# Altium PCB 11BRANMB10H2_20170927.pcbdoc (part 5 of 11) (continued)
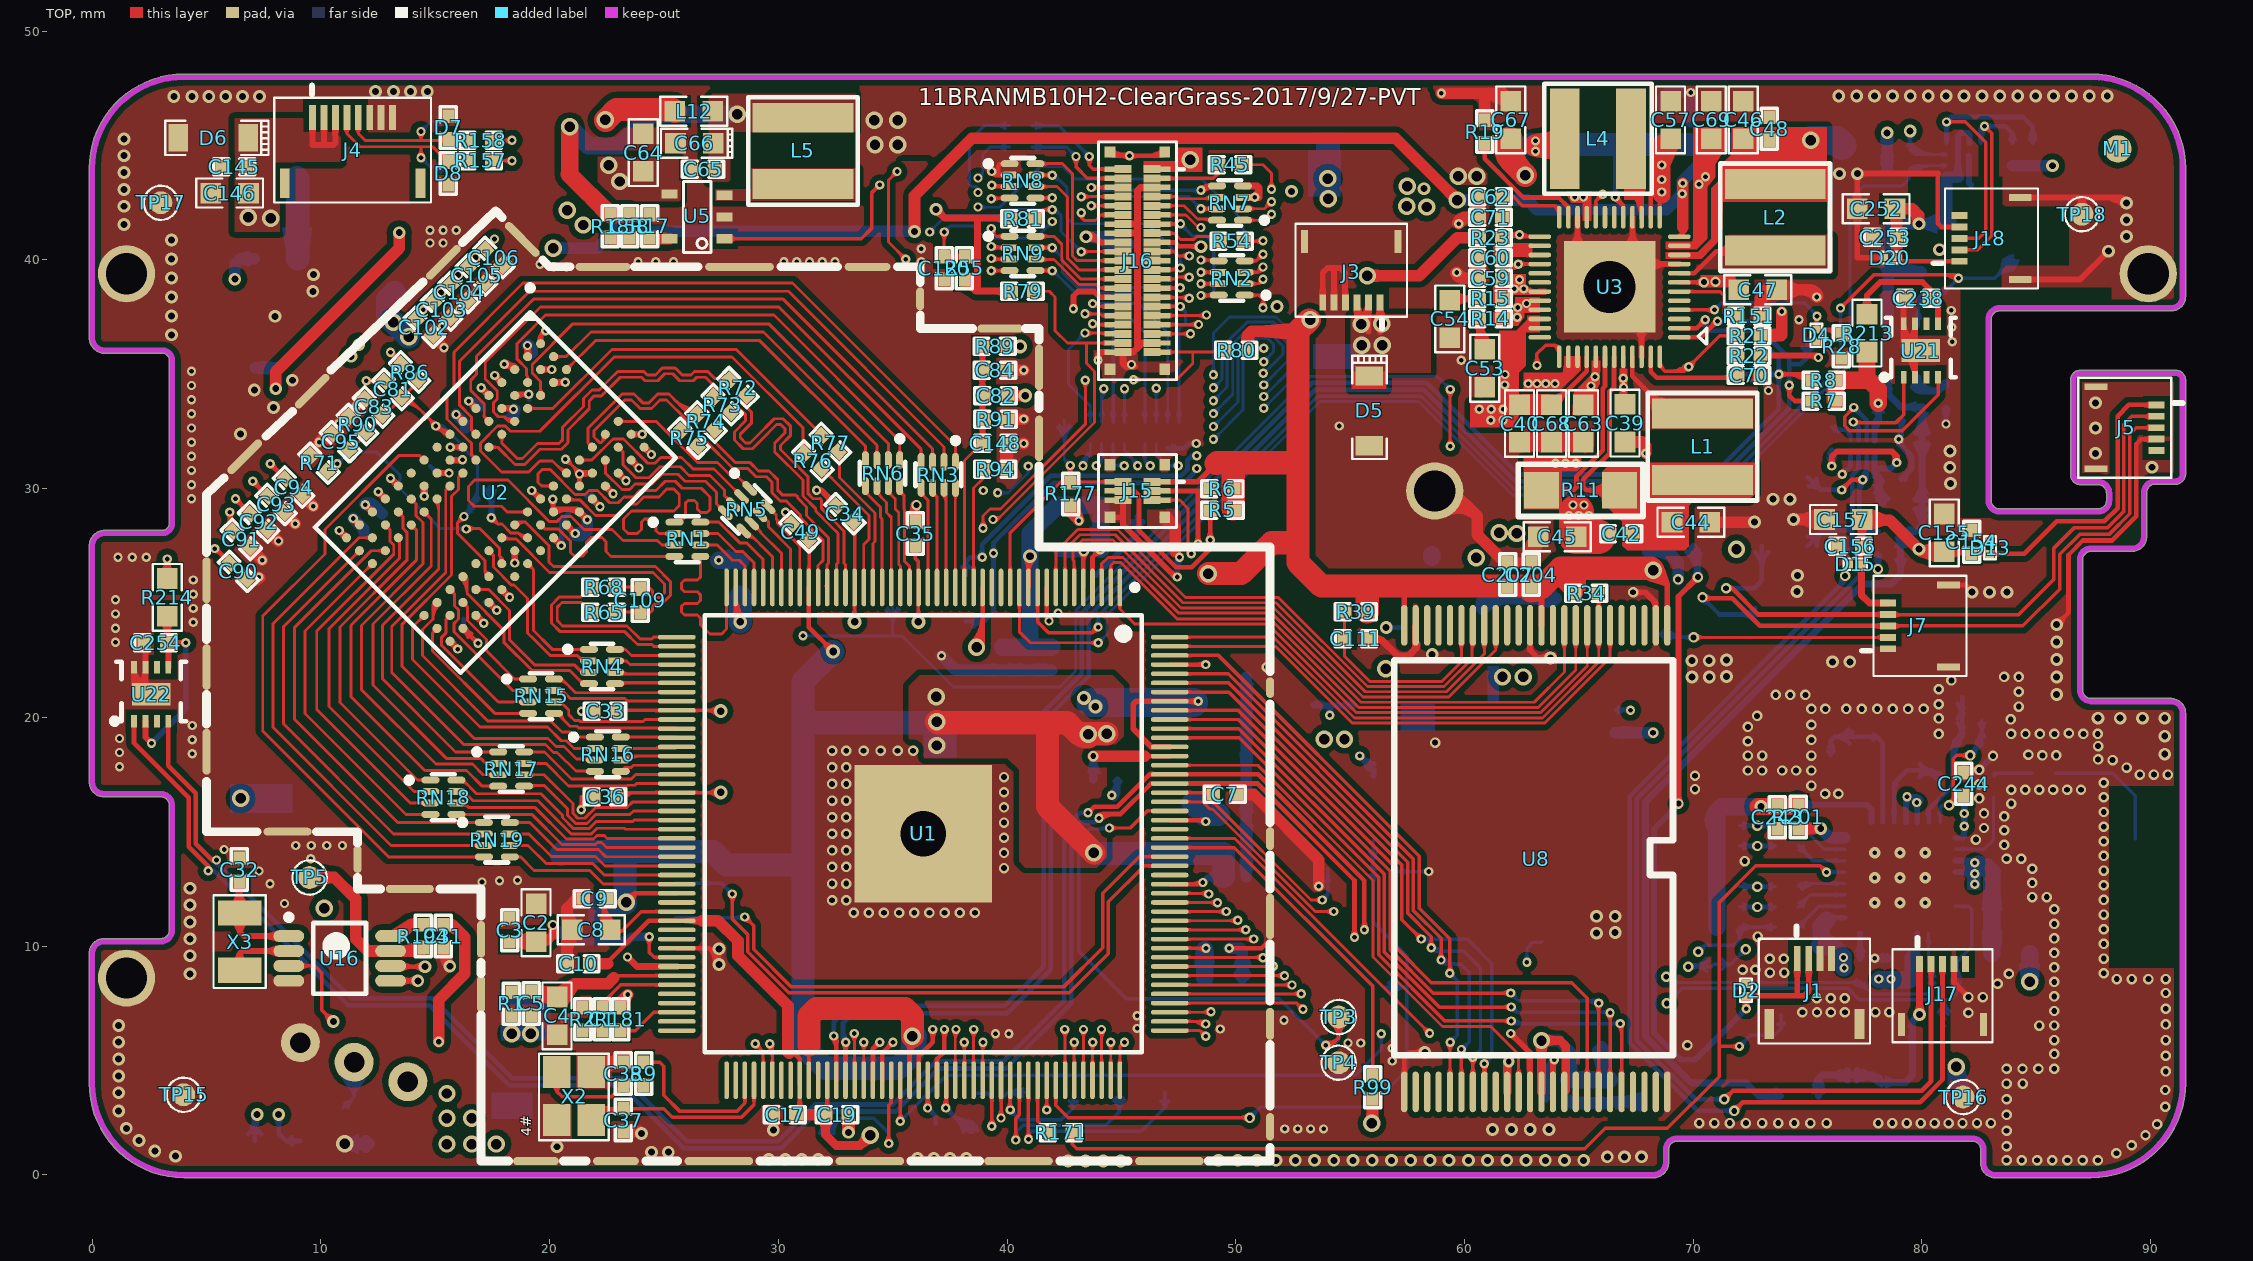
[diagram p0: TOP view]
## Nets (pads, with @x,y where several pads share a name; then routed paths per layer and width w, separated by ;. In a path a pad name is that pad's centre, name@x,y a point inside that pad or via, vN(x,y) a via of type N, cw(c..) or ccw(c..) an arc to the next point about the centre after c; other vN are vias at no path point) (continued)
  TOP w0.762: v1@68.629,42.842 v1(68.629,42.969) v1(68.629,43.518) v1(68.629,44.153) C57.1@68.629,45.106 ; v1@68.629,44.21 cw(c70.096,44.21) 69.059,45.248 ccw(c70.096,44.21) v1@68.629,44.21
  TOP w0.889: C40.2@62.406,33.676 C68.1@63.803,33.676
  TOP w1.016: C67.1@62.025,45.297 62.025,44.344 ; v4(62.66,43.709) 62.025,44.344 ; 62.025,44.344 cw(c62.544,44.863) 61.98,45.334 ccw(c62.544,44.863) 62.025,44.344 ; C67.1@61.967,45.297 ccw(c64.127,45.297) 62.6,43.769 cw(c64.127,45.297) C67.1@61.967,45.297
  POWER w1.016: v1@64.895,42.756 64.857,42.794 63.995,43.656 62.66,43.656 v4(60.541,43.656) v4@59.764,43.656 ; v4@59.753,43.645 cw(c60.259,43.139) 60.602,43.768 ccw(c60.259,43.139) v4@59.753,43.645 ; v4@59.753,43.645 v4@59.764,43.656 ; v4@59.764,43.656 cw(c60.256,43.165) 60.604,43.766 ccw(c60.256,43.165) v4@59.764,43.656
  POWER w2.032: 11.29,36.239 11.29,36.296 11.29,42.157 12.154,43.021 18.898,43.021 20.016,44.139 v4(22.593,44.139) 23.065,44.139 31.991,44.139 33.42,45.568 34.201,45.568 34.226,45.568 35.217,45.568 35.344,45.568 ; 60.896,34.014 60.896,33.477 60.896,32.994 60.896,31.14 62.064,29.972 62.064,28.067 62.064,28.041 62.064,21.768 62.064,21.742
  BOTTOM w0.762: L19.2@58.572,27 L19.2@58.572,27.114
  other v1: 61.154,32.994 61.688,32.994 60.646,33.477 61.167,33.477 61.688,33.477 66.957,34.424 61.76,34.537 64.819,42.756 65.2,42.756
  other v3: 11.319,35.788 11.65,36.296
  other v4: 61.662,21.768 62.577,21.768 62.281,28.041 61.519,28.067 23.065,43.431 59.728,43.656 34.226,45.034 35.217,45.034 34.201,46.101 35.217,46.101
JTAG_CLK: TP89.1 U1.113 | length 9.8
  TOP w0.203: v1@37.335,2.943 U1.113@37.335,4.133 ; v1@37.241,2.993 ccw(c37.013,3.22) 37.335,3.22 cw(c37.013,3.22) v1@37.241,2.993
  BOTTOM w0.203: v1(37.313,2.921) 38.356,1.877 TP89.1@38.5,1.877 ; 37.927,2.429 cw(c37.71,1.618) TP89.1@38.508,1.88 ; 38.29,2.332 cw(c38.136,1.758) TP89.1@38.701,1.943 ; 37.486,2.747 ccw(c37.313,2.574) 37.313,2.819 cw(c37.313,2.574) 37.486,2.747 ; 37.486,2.747 cw(c37.659,2.921) 37.414,2.921 ccw(c37.659,2.921) 37.486,2.747 ; 37.574,2.659 ccw(c38.5,3.585) 38.5,2.276 cw(c38.5,3.585) 37.574,2.659 ; 37.921,2.312 ccw(c38.5,2.891) 38.5,2.072 cw(c38.5,2.891) 37.921,2.312 ; 37.922,2.312 cw(c37.487,1.877) 38.102,1.877 ccw(c37.487,1.877) 37.922,2.312
JTAG_DO: TP85.1 U1.111 | length 3.6
  TOP w0.203: v1@36.535,2.931 U1.111@36.535,4.133 ; v1@36.453,2.993 ccw(c36.256,3.19) 36.535,3.19 cw(c36.256,3.19) v1@36.453,2.993 ; 36.535,3.142 ccw(c36.747,3.142) 36.597,2.993 cw(c36.747,3.142) 36.535,3.142
  BOTTOM w0.203: v1(36.525,2.921) 36.881,2.565 36.881,2.258 ; 36.699,2.747 ccw(c36.525,2.574) 36.525,2.819 cw(c36.525,2.574) 36.699,2.747 ; 36.699,2.747 cw(c36.872,2.921) 36.627,2.921 ccw(c36.872,2.921) 36.699,2.747
LCD-CLK: R54.2 U1.129 | length 66.7
  TOP w0.127: U1.129@43.735,4.133 v1@43.735,5.788 ; R54.2@50.322,40.811 51.194,40.811 v1@51.219,40.811 ; 50.822,40.811 ccw(c50.822,40.361) 50.504,40.679 cw(c50.822,40.361) 50.822,40.811 ; 50.822,40.811 cw(c50.822,41.261) 50.504,40.943 ccw(c50.822,41.261) 50.822,40.811 ; v1@43.648,5.7 cw(c43.436,5.489) 43.735,5.489 ccw(c43.436,5.489) v1@43.648,5.7 ; 43.735,5.435 cw(c44.111,5.435) 43.845,5.7 ccw(c44.111,5.435) 43.735,5.435 ; 50.795,40.811 ccw(c50.795,41.235) 51.095,40.935 cw(c50.795,41.235) 50.795,40.811 ; 50.918,40.811 cw(c50.918,40.561) 51.095,40.738 ccw(c50.918,40.561) 50.918,40.811
  Singal w0.127: v1(38.726,42.316) 38.497,42.088 ; v1(43.746,5.799) 43.746,6.951 45.448,8.653 45.448,28.218 43.241,30.425 40.897,30.425 38.497,32.825 38.497,42.088 ; 38.497,42.088 ccw(c38.282,42.303) 38.586,42.312 cw(c38.282,42.303) 38.497,42.088 ; 38.497,42.088 cw(c38.713,41.873) 38.722,42.177 ccw(c38.713,41.873) 38.497,42.088 ; 43.746,6.136 ccw(c44.084,6.136) 43.845,5.898 cw(c44.084,6.136) 43.746,6.136 ; 43.746,6.136 cw(c43.409,6.136) 43.648,5.898 ccw(c43.409,6.136) 43.746,6.136
  BOTTOM w0.127: v1(38.726,42.316) 38.739,42.304 39.679,42.304 41.453,44.078 42.447,44.078 42.986,43.538 48.505,43.538 50.225,41.818 50.225,41.43 50.819,40.837 v1(51.194,40.837) v1@51.244,40.837 ; 50.856,40.837 ccw(c50.856,41.174) 51.095,40.935 cw(c50.856,41.174) 50.856,40.837 ; 50.856,40.837 cw(c50.856,40.499) 51.095,40.738 ccw(c50.856,40.499) 50.856,40.837 ; v1@38.825,42.217 cw(c39.033,42.009) 39.033,42.304 ccw(c39.033,42.009) v1@38.825,42.217 ; v1@38.825,42.415 ccw(c39.093,42.684) 39.093,42.304 cw(c39.093,42.684) v1@38.825,42.415
LCD-D2: RN7.2 U1.148 | length 40.3
  TOP w0.127: U1.148@47.11,12.308 v1@48.785,12.308 ; RN7.2@50.31,42.238 51.255,42.238 v1(51.562,42.545) ; 51.366,42.353 ccw(c51.3,42.598) v1@51.55,42.547 ; 51.37,42.349 cw(c51.616,42.283) v1@51.565,42.532 ; 50.766,42.238 ccw(c50.766,42.023) 50.615,42.175 cw(c50.766,42.023) 50.766,42.238 ; 50.766,42.238 cw(c50.766,42.452) 50.615,42.301 ccw(c50.766,42.452) 50.766,42.238 ; 51.324,42.306 ccw(c51.085,42.545) 51.422,42.545 cw(c51.085,42.545) 51.324,42.306 ; 51.324,42.306 cw(c51.562,42.068) 51.562,42.405 ccw(c51.562,42.068) 51.324,42.306 ; 48.403,12.308 cw(c48.403,11.862) 48.718,12.177 ccw(c48.403,11.862) 48.403,12.308 ; 48.557,12.308 ccw(c48.557,12.536) 48.718,12.375 cw(c48.557,12.536) 48.557,12.308
  Singal w0.127: v1(48.817,12.276) 49.606,13.065 49.606,41.249 50.394,42.037 51.054,42.037 v1(51.562,42.545) ; 49.055,12.514 ccw(c49.294,12.276) 48.957,12.276 cw(c49.294,12.276) 49.055,12.514 ; 49.055,12.514 cw(c48.817,12.753) 48.817,12.416 ccw(c48.817,12.753) 49.055,12.514 ; 51.324,42.306 ccw(c51.085,42.545) 51.422,42.545 cw(c51.085,42.545) 51.324,42.306 ; 51.324,42.306 cw(c51.562,42.068) 51.562,42.405 ccw(c51.562,42.068) 51.324,42.306
LCD-D3: RN7.1 U1.147 | length 40.5
  TOP w0.127: U1.147@47.11,11.908 48.664,11.908 ; 48.664,11.908 v1@49.185,11.908 ; RN7.1@50.31,41.738 51.301,41.738 v1(51.562,41.999) ; 51.366,41.807 ccw(c51.3,42.052) v1@51.55,42.001 ; 51.37,41.803 cw(c51.616,41.737) v1@51.565,41.986 ; 50.766,41.738 ccw(c50.766,41.523) 50.615,41.675 cw(c50.766,41.523) 50.766,41.738 ; 50.766,41.738 cw(c50.766,41.952) 50.615,41.8 ccw(c50.766,41.952) 50.766,41.738 ; 51.324,41.76 ccw(c51.085,41.999) 51.422,41.999 cw(c51.085,41.999) 51.324,41.76 ; 51.324,41.76 cw(c51.562,41.522) 51.562,41.859 ccw(c51.562,41.522) 51.324,41.76 ; 48.83,11.908 cw(c48.83,11.527) 49.099,11.796 ccw(c48.83,11.527) 48.83,11.908 ; 48.891,11.908 ccw(c48.891,12.202) 49.099,11.994 cw(c48.891,12.202) 48.891,11.908
  Singal w0.127: v1(49.198,11.895) 49.873,12.57 49.873,41.192 50.381,41.7 51.264,41.7 v1(51.562,41.999) ; 49.436,12.133 ccw(c49.675,11.895) 49.338,11.895 cw(c49.675,11.895) 49.436,12.133 ; 49.436,12.133 cw(c49.198,12.372) 49.198,12.035 ccw(c49.198,12.372) 49.436,12.133 ; 51.324,41.76 ccw(c51.085,41.999) 51.422,41.999 cw(c51.085,41.999) 51.324,41.76 ; 51.324,41.76 cw(c51.562,41.522) 51.562,41.859 ccw(c51.562,41.522) 51.324,41.76
LCD-D4: RN2.4 U1.146 | length 38.6
  TOP w0.127: U1.146@47.11,11.508 v1@49.573,11.508 ; RN2.4@50.387,39.961 50.902,39.961 v1(51.194,40.252) ; 50.998,40.06 ccw(c50.932,40.306) v1@51.181,40.255 ; 51.001,40.057 cw(c51.247,39.991) v1@51.196,40.24 ; 50.843,39.961 ccw(c50.843,39.746) 50.691,39.898 cw(c50.843,39.746) 50.843,39.961 ; 50.843,39.961 cw(c50.843,40.176) 50.691,40.024 ccw(c50.843,40.176) 50.843,39.961 ; 50.955,40.014 ccw(c50.717,40.252) 51.054,40.252 cw(c50.717,40.252) 50.955,40.014 ; 50.955,40.014 cw(c51.194,39.775) 51.194,40.113 ccw(c51.194,39.775) 50.955,40.014 ; 49.227,11.508 ccw(c49.227,11.866) 49.48,11.613 cw(c49.227,11.866) 49.227,11.508 ; 49.257,11.508 cw(c49.257,11.192) 49.48,11.415 ccw(c49.257,11.192) 49.257,11.508
  Singal w0.127: v1(49.579,11.514) 50.101,12.036 50.101,39.719 50.635,40.252 v1(51.194,40.252) ; 49.817,11.752 ccw(c50.056,11.514) 49.719,11.514 cw(c50.056,11.514) 49.817,11.752 ; 49.817,11.752 cw(c49.579,11.991) 49.579,11.654 ccw(c49.579,11.991) 49.817,11.752 ; 50.856,40.252 ccw(c50.856,40.59) 51.095,40.351 cw(c50.856,40.59) 50.856,40.252 ; 50.856,40.252 cw(c50.856,39.915) 51.095,40.154 ccw(c50.856,39.915) 50.856,40.252
LCD-D5: RN2.3 U1.145 | length 38.6
  TOP w0.127: U1.145@47.11,11.108 v1@50.062,11.108 ; RN2.3@50.416,39.49 RN2.3@50.387,39.461 50.961,39.461 ; 50.989,39.504 ccw(c50.925,39.759) v1@51.181,39.697 ; 51.004,39.489 cw(c51.259,39.425) v1@51.197,39.681 ; v1(51.194,39.694) 50.961,39.461 ; 50.843,39.461 ccw(c50.843,39.246) 50.691,39.398 cw(c50.843,39.246) 50.843,39.461 ; 50.843,39.461 cw(c50.843,39.676) 50.691,39.524 ccw(c50.843,39.676) 50.843,39.461 ; 50.961,39.461 ccw(c50.736,39.686) 51.054,39.691 cw(c50.736,39.686) 50.961,39.461 ; 50.961,39.461 cw(c51.186,39.236) 51.191,39.554 ccw(c51.186,39.236) 50.961,39.461 ; 49.689,11.108 ccw(c49.689,11.531) 49.988,11.232 cw(c49.689,11.531) 49.689,11.108 ; 49.811,11.108 cw(c49.811,10.857) 49.988,11.034 ccw(c49.811,10.857) 49.811,11.108
  Singal w0.127: v1(50.087,11.133) 50.33,11.376 50.33,39.262 50.762,39.694 v1(51.194,39.694) ; 50.325,11.371 ccw(c50.564,11.133) 50.227,11.133 cw(c50.564,11.133) 50.325,11.371 ; 50.325,11.371 cw(c50.087,11.61) 50.087,11.273 ccw(c50.087,11.61) 50.325,11.371 ; 50.856,39.694 ccw(c50.856,40.031) 51.095,39.792 cw(c50.856,40.031) 50.856,39.694 ; 50.856,39.694 cw(c50.856,39.356) 51.095,39.595 ccw(c50.856,39.356) 50.856,39.694
LCD-D6: RN2.2 U1.144 | length 39.8
  TOP w0.127: U1.144@47.11,10.708 v1@50.424,10.708 ; RN2.2@50.387,38.961 50.994,38.961 ; v1(51.194,39.16) 50.994,38.961 ; 50.843,38.961 ccw(c50.843,38.746) 50.691,38.898 cw(c50.843,38.746) 50.843,38.961 ; 50.843,38.961 cw(c50.843,39.176) 50.691,39.024 ccw(c50.843,39.176) 50.843,38.961 ; 50.994,38.961 ccw(c50.843,39.112) 51.055,39.141 cw(c50.843,39.112) 50.994,38.961 ; 50.994,38.961 cw(c51.146,38.81) 51.175,39.022 ccw(c51.146,38.81) 50.994,38.961 ; 50.084,10.708 ccw(c50.084,11.06) 50.333,10.811 cw(c50.084,11.06) 50.084,10.708 ; 50.105,10.708 cw(c50.105,10.385) 50.333,10.613 ccw(c50.105,10.385) 50.105,10.708
  Singal w0.127: v1@50.404,10.849 ccw(c50.358,11.079) 50.562,10.962 ccw(c50.732,10.864) v1@50.556,10.775 ; 50.423,10.967 ccw(c50.613,10.857) v1@50.442,10.72 ; v1(50.432,10.712) 50.584,10.865 50.584,38.862 50.882,39.16 ; 50.516,11.128 ccw(c50.769,10.982) v1@50.541,10.799 ; v1(51.194,39.16) 50.882,39.16 ; 50.882,39.16 ccw(c50.882,39.437) 51.089,39.253 cw(c50.882,39.437) 50.882,39.16 ; 50.882,39.16 cw(c50.882,38.883) 51.089,39.067 ccw(c50.882,38.883) 50.882,39.16 ; v1@50.333,10.811 ccw(c49.726,11.417) 50.584,11.417 cw(c49.726,11.417) v1@50.333,10.811 ; v1@50.423,10.721 ccw(c50.033,11.111) 50.584,11.111 cw(c50.033,11.111) v1@50.423,10.721
LCD-D7: RN2.1 U1.143 | length 37.6
  TOP w0.127: U1.143@47.11,10.308 v1(50.786,10.308) ; RN2.1@50.387,38.461 51.004,38.461 51.194,38.271 v1(51.194,37.916) ; 50.449,10.308 ccw(c50.449,10.645) 50.687,10.407 cw(c50.449,10.645) 50.449,10.308 ; 50.449,10.308 cw(c50.449,9.971) 50.687,10.209 ccw(c50.449,9.971) 50.449,10.308 ; 50.843,38.461 ccw(c50.843,38.246) 50.691,38.398 cw(c50.843,38.246) 50.843,38.461 ; 50.843,38.461 cw(c50.843,38.676) 50.691,38.524 ccw(c50.843,38.676) 50.843,38.461 ; 51.194,38.253 ccw(c51.531,38.253) 51.292,38.014 cw(c51.531,38.253) 51.194,38.253 ; 51.194,38.253 cw(c50.856,38.253) 51.095,38.014 ccw(c50.856,38.253) 51.194,38.253
  Singal w0.127: v1(50.786,10.308) 50.813,10.335 50.813,37.535 v1(51.194,37.916) ; 50.955,37.677 ccw(c50.717,37.916) 51.054,37.916 cw(c50.717,37.916) 50.955,37.677 ; 50.955,37.677 cw(c51.194,37.439) 51.194,37.776 ccw(c51.194,37.439) 50.955,37.677 ; v1@50.687,10.407 ccw(c50.384,10.71) 50.813,10.71 cw(c50.384,10.71) v1@50.687,10.407 ; 50.813,10.581 ccw(c51.059,10.581) 50.885,10.407 cw(c51.059,10.581) 50.813,10.581
LCD-D10: RN8.3 U1.141 | length 66
  TOP w0.127: v1(39.331,43.269) 39.391,43.209 RN8.3@40.113,43.209 ; 39.624,43.26 ccw(c39.694,43.518) RN8.3@39.827,43.286 ; 39.696,43.241 cw(c39.654,43.084) RN8.3@39.795,43.165 ; U1.141@47.11,9.508 51.176,9.508 v1(51.189,9.495) ; 39.657,43.209 ccw(c39.657,43.424) 39.809,43.272 cw(c39.657,43.424) 39.657,43.209 ; 39.657,43.209 cw(c39.657,42.995) 39.809,43.147 ccw(c39.657,42.995) 39.657,43.209 ; v1@39.43,43.368 ccw(c39.812,43.75) 39.812,43.209 cw(c39.812,43.75) v1@39.43,43.368 ; 50.821,9.508 cw(c50.821,9.128) 51.09,9.396 ccw(c50.821,9.128) 50.821,9.508 ; 50.882,9.508 ccw(c50.882,9.802) 51.09,9.594 cw(c50.882,9.802) 50.882,9.508
  Singal w0.127: v1(39.331,43.269) 39.522,43.078 40.551,43.078 41.084,42.545 41.084,38.974 43.04,37.018 43.04,33.852 43.345,33.547 47.161,33.547 48.336,34.722 48.768,34.722 v1(49.022,34.976) ; v1(51.189,9.495) 52.108,10.415 52.108,22.835 51.219,23.724 v1(51.219,33.521) ; 48.784,34.737 ccw(c48.545,34.976) 48.882,34.976 cw(c48.545,34.976) 48.784,34.737 ; 48.784,34.737 cw(c49.022,34.499) 49.022,34.836 ccw(c49.022,34.499) 48.784,34.737 ; 51.219,33.184 ccw(c50.882,33.184) 51.12,33.423 cw(c50.882,33.184) 51.219,33.184 ; 51.219,33.184 cw(c51.556,33.184) 51.318,33.423 ccw(c51.556,33.184) 51.219,33.184 ; 51.427,9.734 ccw(c51.666,9.495) 51.328,9.495 cw(c51.666,9.495) 51.427,9.734 ; 51.427,9.734 cw(c51.189,9.972) 51.189,9.635 ccw(c51.189,9.972) 51.427,9.734
  BOTTOM w0.127: v1(49.022,34.976) 49.022,36.804 49.727,37.509 51.752,37.509 52.743,36.519 52.743,35.033 51.232,33.521 v1(51.219,33.521) ; 49.022,35.313 ccw(c49.359,35.313) 49.121,35.074 cw(c49.359,35.313) 49.022,35.313 ; 49.022,35.313 cw(c48.685,35.313) 48.923,35.074 ccw(c48.685,35.313) 49.022,35.313 ; v1@51.219,33.661 ccw(c51.219,34.029) 51.479,33.769 cw(c51.219,34.029) v1@51.219,33.661 ; v1@51.359,33.521 cw(c51.665,33.521) 51.448,33.738 ccw(c51.665,33.521) v1@51.359,33.521
LCD-D11: RN8.4 U1.140 | length 67.2
  TOP w0.127: v1@39.331,42.672 39.369,42.709 RN8.4@40.113,42.709 ; 39.572,42.666 cw(c39.659,42.341) RN8.4@39.827,42.632 ; U1.140@47.11,9.108 51.639,9.108 v1(51.646,9.114) ; 39.657,42.709 ccw(c39.657,42.924) 39.809,42.772 cw(c39.657,42.924) 39.657,42.709 ; 39.657,42.709 cw(c39.657,42.495) 39.809,42.646 ccw(c39.657,42.495) 39.657,42.709 ; v1@39.405,42.573 cw(c39.733,42.245) 39.733,42.709 ccw(c39.733,42.245) v1@39.405,42.573 ; v1@39.405,42.771 ccw(c39.553,42.919) 39.553,42.709 cw(c39.553,42.919) v1@39.405,42.771 ; 51.293,9.108 ccw(c51.293,9.467) 51.547,9.213 cw(c51.293,9.467) 51.293,9.108 ; 51.324,9.108 cw(c51.324,8.793) 51.547,9.015 ccw(c51.324,8.793) 51.324,9.108
  Singal w0.127: v1@39.331,42.672 40.525,42.672 40.855,42.342 40.855,38.879 42.811,36.923 42.811,33.63 43.123,33.318 47.256,33.318 48.35,34.412 v1(49.022,34.412) ; v1(51.219,34.029) 51.232,34.029 51.625,33.636 51.625,23.64 52.337,22.929 52.337,9.805 v1(51.646,9.114) ; 39.643,42.672 ccw(c39.643,42.335) 39.405,42.573 cw(c39.643,42.335) 39.643,42.672 ; 39.643,42.672 cw(c39.643,43.009) 39.405,42.771 ccw(c39.643,43.009) 39.643,42.672 ; 48.685,34.412 ccw(c48.685,34.749) 48.923,34.51 cw(c48.685,34.749) 48.685,34.412 ; 48.685,34.412 cw(c48.685,34.074) 48.923,34.313 ccw(c48.685,34.074) 48.685,34.412 ; 51.884,9.353 ccw(c52.123,9.114) 51.785,9.114 cw(c52.123,9.114) 51.884,9.353 ; 51.884,9.353 cw(c51.646,9.591) 51.646,9.254 ccw(c51.646,9.591) 51.884,9.353 ; v1@51.219,33.89 cw(c51.219,33.521) 51.479,33.782 ccw(c51.219,33.521) v1@51.219,33.89 ; v1@51.359,34.029 ccw(c51.665,34.029) 51.448,33.813 cw(c51.665,34.029) v1@51.359,34.029
  BOTTOM w0.127: v1(49.022,34.412) 49.39,34.78 49.39,36.182 50.489,37.281 51.658,37.281 52.514,36.424 52.514,35.312 51.232,34.029 v1(51.219,34.029) ; 49.26,34.65 ccw(c49.499,34.412) 49.162,34.412 cw(c49.499,34.412) 49.26,34.65 ; 49.26,34.65 cw(c49.022,34.889) 49.022,34.551 ccw(c49.022,34.889) 49.26,34.65 ; v1@51.219,34.169 ccw(c51.219,34.537) 51.479,34.277 cw(c51.219,34.537) v1@51.219,34.169 ; v1@51.359,34.029 cw(c51.665,34.029) 51.448,34.246 ccw(c51.665,34.029) v1@51.359,34.029
  other v1: 39.306,42.672
LCD-D12: RN9.1 U1.139 | length 65.6
  TOP w0.127: v1@39.433,41.377 39.433,41.136 39.535,41.034 RN9.1@40.113,41.034 ; U1.139@47.11,8.708 v1(52.128,8.708) ; 39.657,41.034 ccw(c39.657,41.249) 39.809,41.097 cw(c39.657,41.249) 39.657,41.034 ; 39.657,41.034 cw(c39.657,40.82) 39.809,40.972 ccw(c39.657,40.82) 39.657,41.034 ; v1@39.303,41.237 cw(c39.301,41.105) 39.433,41.105 ccw(c39.301,41.105) v1@39.303,41.237 ; 51.791,8.708 cw(c51.791,8.37) 52.03,8.609 ccw(c51.791,8.37) 51.791,8.708 ; 51.791,8.708 ccw(c51.791,9.045) 52.03,8.807 cw(c51.791,9.045) 51.791,8.708
  Singal w0.127: v1@39.433,41.377 40.068,41.377 40.627,40.818 40.627,38.784 42.583,36.828 42.583,33.536 43.029,33.09 47.351,33.09 48.109,33.848 v1(49.022,33.848) ; v1@51.232,34.537 51.854,33.915 51.854,23.735 52.565,23.024 52.565,9.145 v1(52.128,8.708) ; 39.643,41.377 ccw(c39.643,41.039) 39.405,41.278 cw(c39.643,41.039) 39.643,41.377 ; 39.643,41.377 cw(c39.643,41.714) 39.405,41.475 ccw(c39.643,41.714) 39.643,41.377 ; 48.685,33.848 ccw(c48.685,34.185) 48.923,33.947 cw(c48.685,34.185) 48.685,33.848 ; 48.685,33.848 cw(c48.685,33.511) 48.923,33.749 ccw(c48.685,33.511) 48.685,33.848 ; 52.367,8.946 ccw(c52.605,8.708) 52.268,8.708 cw(c52.605,8.708) 52.367,8.946 ; 52.367,8.946 cw(c52.128,9.185) 52.128,8.848 ccw(c52.128,9.185) 52.367,8.946 ; v1@51.219,34.398 cw(c51.219,34.029) 51.479,34.29 ccw(c51.219,34.029) v1@51.219,34.398 ; v1@51.359,34.537 ccw(c51.665,34.537) 51.448,34.321 cw(c51.665,34.537) v1@51.359,34.537
  BOTTOM w0.127: v1(49.022,33.848) 49.619,34.445 49.619,36.086 50.585,37.052 51.563,37.052 52.286,36.329 52.286,35.604 v1(51.219,34.537) ; 49.26,34.086 ccw(c49.499,33.848) 49.162,33.848 cw(c49.499,33.848) 49.26,34.086 ; 49.26,34.086 cw(c49.022,34.325) 49.022,33.988 ccw(c49.022,34.325) 49.26,34.086 ; 51.457,34.775 ccw(c51.695,34.537) 51.359,34.537 cw(c51.695,34.537) 51.457,34.775 ; 51.458,34.776 cw(c51.219,35.015) 51.219,34.677 ccw(c51.219,35.015) 51.458,34.776
  other v1: 39.306,41.377
LCD-D13: RN9.2 U1.138 | length 64.4
  TOP w0.127: v1(39.306,40.589) 39.361,40.534 RN9.2@40.113,40.534 ; 39.6,40.581 ccw(c39.678,40.871) RN9.2@39.827,40.611 ; 39.716,40.55 cw(c39.682,40.425) RN9.2@39.795,40.49 ; U1.138@47.11,8.308 52.452,8.308 v1(52.459,8.301) ; 39.657,40.534 ccw(c39.657,40.749) 39.809,40.597 cw(c39.657,40.749) 39.657,40.534 ; 39.657,40.534 cw(c39.657,40.32) 39.809,40.471 ccw(c39.657,40.32) 39.657,40.534 ; v1@39.405,40.49 cw(c39.511,40.384) 39.511,40.534 ccw(c39.511,40.384) v1@39.405,40.49 ; v1@39.405,40.688 ccw(c39.776,41.059) 39.776,40.534 cw(c39.776,41.059) v1@39.405,40.688 ; 52.106,8.308 cw(c52.106,7.949) 52.36,8.203 ccw(c52.106,7.949) 52.106,8.308 ; 52.137,8.308 ccw(c52.137,8.623) 52.36,8.4 cw(c52.137,8.623) 52.137,8.308
  Singal w0.127: v1(39.306,40.589) 40.068,40.589 40.398,40.259 40.398,38.69 42.354,36.734 42.354,33.441 42.959,32.836 47.447,32.836 47.896,33.284 v1(49.022,33.284) ; v1@51.232,35.045 52.083,34.195 52.083,23.83 52.794,23.119 52.794,8.637 v1(52.459,8.301) ; 39.643,40.589 ccw(c39.643,40.252) 39.405,40.49 cw(c39.643,40.252) 39.643,40.589 ; 39.643,40.589 cw(c39.643,40.926) 39.405,40.688 ccw(c39.643,40.926) 39.643,40.589 ; 48.685,33.284 ccw(c48.685,33.621) 48.923,33.383 cw(c48.685,33.621) 48.685,33.284 ; 48.685,33.284 cw(c48.685,32.947) 48.923,33.185 ccw(c48.685,32.947) 48.685,33.284 ; 52.697,8.54 ccw(c52.936,8.301) 52.598,8.301 cw(c52.936,8.301) 52.697,8.54 ; 52.697,8.54 cw(c52.459,8.778) 52.459,8.441 ccw(c52.459,8.778) 52.697,8.54
  BOTTOM w0.127: v1(49.022,33.284) 49.867,34.129 49.867,36.011 50.68,36.823 51.468,36.823 52.057,36.235 52.057,35.871 51.232,35.045 v1(51.206,35.045) ; 49.26,33.522 ccw(c49.499,33.284) 49.162,33.284 cw(c49.499,33.284) 49.26,33.522 ; 49.26,33.522 cw(c49.022,33.761) 49.022,33.424 ccw(c49.022,33.761) 49.26,33.522
LCD-D14: RN9.3 U1.137 | length 68.5
  TOP w0.127: v1@39.306,40.081 39.316,40.071 39.353,40.034 RN9.3@40.113,40.034 ; U1.137@47.11,7.908 52.852,7.908 v1(52.865,7.92) ; 39.657,40.034 ccw(c39.657,40.249) 39.809,40.097 cw(c39.657,40.249) 39.657,40.034 ; 39.657,40.034 cw(c39.657,39.82) 39.809,39.972 ccw(c39.657,39.82) 39.657,40.034 ; v1@39.405,39.963 cw(c39.577,39.79) 39.577,40.034 ccw(c39.577,39.79) v1@39.405,39.963 ; v1@39.405,40.161 ccw(c39.709,40.465) 39.709,40.034 cw(c39.709,40.465) v1@39.405,40.161 ; 52.497,7.908 ccw(c52.497,8.288) 52.766,8.019 cw(c52.497,8.288) 52.497,7.908 ; 52.558,7.908 cw(c52.558,7.613) 52.766,7.822 ccw(c52.558,7.613) 52.558,7.908
  Singal w0.127: v1@39.306,40.081 39.89,40.081 40.17,39.802 40.17,38.595 42.125,36.639 42.125,33.346 42.865,32.607 47.65,32.607 47.763,32.72 v1(49.022,32.72) ; v1@51.244,35.553 52.311,34.487 52.311,23.925 53.022,23.213 53.022,8.078 v1(52.865,7.92) ; v1@52.835,8.057 ccw(c52.779,8.305) 52.999,8.178 ccw(c53.184,8.071) v1@52.991,7.98 ; 52.859,8.179 ccw(c53.055,8.066) v1@52.875,7.928 ; 52.954,8.344 ccw(c53.218,8.191) v1@52.976,8.005 ; 48.685,32.72 ccw(c48.685,33.057) 48.923,32.819 cw(c48.685,33.057) 48.685,32.72 ; 48.685,32.72 cw(c48.685,32.383) 48.923,32.621 ccw(c48.685,32.383) 48.685,32.72 ; v1@39.405,39.963 cw(c39.69,39.678) 39.69,40.081 ccw(c39.69,39.678) v1@39.405,39.963 ; v1@39.405,40.161 ccw(c39.596,40.352) 39.596,40.081 cw(c39.596,40.352) v1@39.405,40.161 ; v1@51.219,35.414 cw(c51.219,35.015) 51.501,35.297 ccw(c51.219,35.015) v1@51.219,35.414 ; v1@51.359,35.553 ccw(c51.635,35.553) 51.44,35.358 cw(c51.635,35.553) v1@51.359,35.553 ; v1@52.766,8.019 ccw(c52.148,8.638) 53.022,8.638 cw(c52.148,8.638) v1@52.766,8.019 ; v1@52.856,7.929 ccw(c52.454,8.331) 53.022,8.331 cw(c52.454,8.331) v1@52.856,7.929
  BOTTOM w0.127: v1(49.022,32.72) 50.096,33.794 50.096,35.916 50.775,36.595 51.374,36.595 51.651,36.318 51.651,35.985 v1(51.219,35.553) ; 49.26,32.959 ccw(c49.499,32.72) 49.162,32.72 cw(c49.499,32.72) 49.26,32.959 ; 49.26,32.959 cw(c49.022,33.197) 49.022,32.86 ccw(c49.022,33.197) 49.26,32.959 ; 51.457,35.792 ccw(c51.696,35.553) 51.359,35.553 cw(c51.696,35.553) 51.457,35.792 ; 51.457,35.792 cw(c51.219,36.03) 51.219,35.693 ccw(c51.219,36.03) 51.457,35.792
  other v1: 39.306,40.062
LCD-D15: RN9.4 U1.136 | length 66.7
  TOP w0.127: v1@39.318,39.534 RN9.4@40.113,39.534 ; U1.136@47.11,7.508 52.668,7.508 v1(52.941,7.235) ; 52.745,7.427 cw(c52.679,7.181) v1@52.929,7.232 ; 52.749,7.43 ccw(c52.995,7.496) v1@52.944,7.247 ; 39.643,39.534 ccw(c39.643,39.197) 39.405,39.436 cw(c39.643,39.197) 39.643,39.534 ; 39.643,39.534 cw(c39.643,39.872) 39.405,39.633 ccw(c39.643,39.872) 39.643,39.534 ; 39.657,39.534 ccw(c39.657,39.749) 39.809,39.597 cw(c39.657,39.749) 39.657,39.534 ; 39.657,39.534 cw(c39.657,39.32) 39.809,39.471 ccw(c39.657,39.32) 39.657,39.534 ; 52.703,7.473 ccw(c52.941,7.712) 52.941,7.374 cw(c52.941,7.712) 52.703,7.473 ; 52.703,7.473 cw(c52.464,7.235) 52.801,7.235 ccw(c52.464,7.235) 52.703,7.473
  Singal w0.127: v1@39.318,39.534 39.751,39.534 39.941,39.345 39.941,38.456 41.897,36.5 41.897,33.252 42.77,32.378 48.444,32.378 48.666,32.156 v1(49.022,32.156) ; v1(51.219,36.138) 52.54,34.817 52.54,24.079 53.251,23.368 53.251,7.544 v1(52.941,7.235) ; 39.643,39.534 ccw(c39.643,39.197) 39.405,39.436 cw(c39.643,39.197) 39.643,39.534 ; 39.643,39.534 cw(c39.643,39.872) 39.405,39.633 ccw(c39.643,39.872) 39.643,39.534 ; 48.685,32.156 ccw(c48.685,32.493) 48.923,32.255 cw(c48.685,32.493) 48.685,32.156 ; 48.685,32.156 cw(c48.685,31.819) 48.923,32.057 ccw(c48.685,31.819) 48.685,32.156 ; 51.457,35.899 ccw(c51.219,35.661) 51.219,35.998 cw(c51.219,35.661) 51.457,35.899 ; 51.457,35.899 cw(c51.696,36.138) 51.359,36.138 ccw(c51.696,36.138) 51.457,35.899 ; 53.18,7.473 ccw(c53.418,7.235) 53.081,7.235 cw(c53.418,7.235) 53.18,7.473 ; 53.18,7.473 cw(c52.941,7.712) 52.941,7.374 ccw(c52.941,7.712) 53.18,7.473
  BOTTOM w0.127: v1(49.022,32.156) 50.324,33.458 50.324,35.821 50.641,36.138 v1(51.219,36.138) ; 49.26,32.395 ccw(c49.499,32.156) 49.162,32.156 cw(c49.499,32.156) 49.26,32.395 ; 49.26,32.395 cw(c49.022,32.633) 49.022,32.296 ccw(c49.022,32.633) 49.26,32.395 ; 50.882,36.138 ccw(c50.882,36.475) 51.12,36.236 cw(c50.882,36.475) 50.882,36.138 ; 50.882,36.138 cw(c50.882,35.8) 51.12,36.039 ccw(c50.882,35.8) 50.882,36.138
  other v1: 39.306,39.534
LCD-D18: RN10.3 U1.135 | length 33.8
  TOP w0.127: U1.135@47.11,7.108 48.903,7.108 v1(48.919,7.124) ; 48.543,7.108 ccw(c48.543,7.499) 48.82,7.222 cw(c48.543,7.499) 48.543,7.108 ; 48.62,7.108 cw(c48.62,6.825) 48.82,7.025 ccw(c48.62,6.825) 48.62,7.108
  Singal w0.127: v1(47.485,31.009) 47.485,30.501 46.879,29.895 46.879,8.118 47.873,7.124 v1(48.919,7.124) ; 47.485,30.672 ccw(c47.148,30.672) 47.386,30.91 cw(c47.148,30.672) 47.485,30.672 ; 47.485,30.672 cw(c47.822,30.672) 47.584,30.91 ccw(c47.822,30.672) 47.485,30.672 ; 48.581,7.124 ccw(c48.581,7.461) 48.82,7.222 cw(c48.581,7.461) 48.581,7.124 ; 48.581,7.124 cw(c48.581,6.786) 48.82,7.025 ccw(c48.581,6.786) 48.581,7.124
  BOTTOM w0.127: RN10.3@46.524,31.974 RN10.3@46.524,31.774 46.524,31.492 47.007,31.009 v1(47.485,31.009) ; 47.148,31.009 ccw(c47.148,31.346) 47.386,31.108 cw(c47.148,31.346) 47.148,31.009 ; 47.148,31.009 cw(c47.148,30.672) 47.386,30.91 ccw(c47.148,30.672) 47.148,31.009 ; RN10.3@46.613,31.533 ccw(c46.928,31.533) 46.705,31.311 cw(c46.928,31.533) RN10.3@46.613,31.533
LCD-D19: RN10.4 U1.134 | length 34.9
  TOP w0.127: U1.134@47.11,6.708 48.575,6.708 v1(48.69,6.593) ; 48.332,6.644 ccw(c48.433,6.82) v1@48.585,6.686 ; 48.466,6.566 ccw(c48.552,6.715) v1@48.68,6.601 ; v1@48.55,6.596 ccw(c48.445,6.598) 48.498,6.69 ccw(c48.542,6.767) v1@48.599,6.699 ; 48.075,6.708 cw(c48.075,5.978) 48.591,6.494 ccw(c48.075,5.978) 48.075,6.708 ; 48.382,6.708 cw(c48.382,6.285) 48.681,6.584 ccw(c48.382,6.285) 48.382,6.708
  Singal w0.127: v1(46.266,31.007) 46.266,29.206 46.651,28.821 46.651,7.711 47.769,6.593 v1(48.69,6.593) ; 46.266,30.67 ccw(c45.929,30.67) 46.167,30.908 cw(c45.929,30.67) 46.266,30.67 ; 46.266,30.67 cw(c46.603,30.67) 46.365,30.908 ccw(c46.603,30.67) 46.266,30.67 ; 48.353,6.593 ccw(c48.353,6.93) 48.591,6.692 cw(c48.353,6.93) 48.353,6.593 ; 48.353,6.593 cw(c48.353,6.256) 48.591,6.494 ccw(c48.353,6.256) 48.353,6.593
  BOTTOM w0.127: RN10.4@46.024,31.974 RN10.4@46.024,31.774 46.024,31.216 ; v1(46.266,31.007) 46.233,31.007 46.024,31.216 ; 46.024,31.216 ccw(c46.203,31.395) 46.244,31.145 cw(c46.203,31.395) 46.024,31.216 ; 46.024,31.318 ccw(c45.809,31.318) 45.961,31.47 cw(c45.809,31.318) 46.024,31.318 ; 46.024,31.318 cw(c46.239,31.318) 46.087,31.47 ccw(c46.239,31.318) 46.024,31.318 ; 46.051,31.189 cw(c45.869,31.007) 46.126,31.007 ccw(c45.869,31.007) 46.051,31.189